# KiCad board mainboard_1.kicad_pcb (continued)
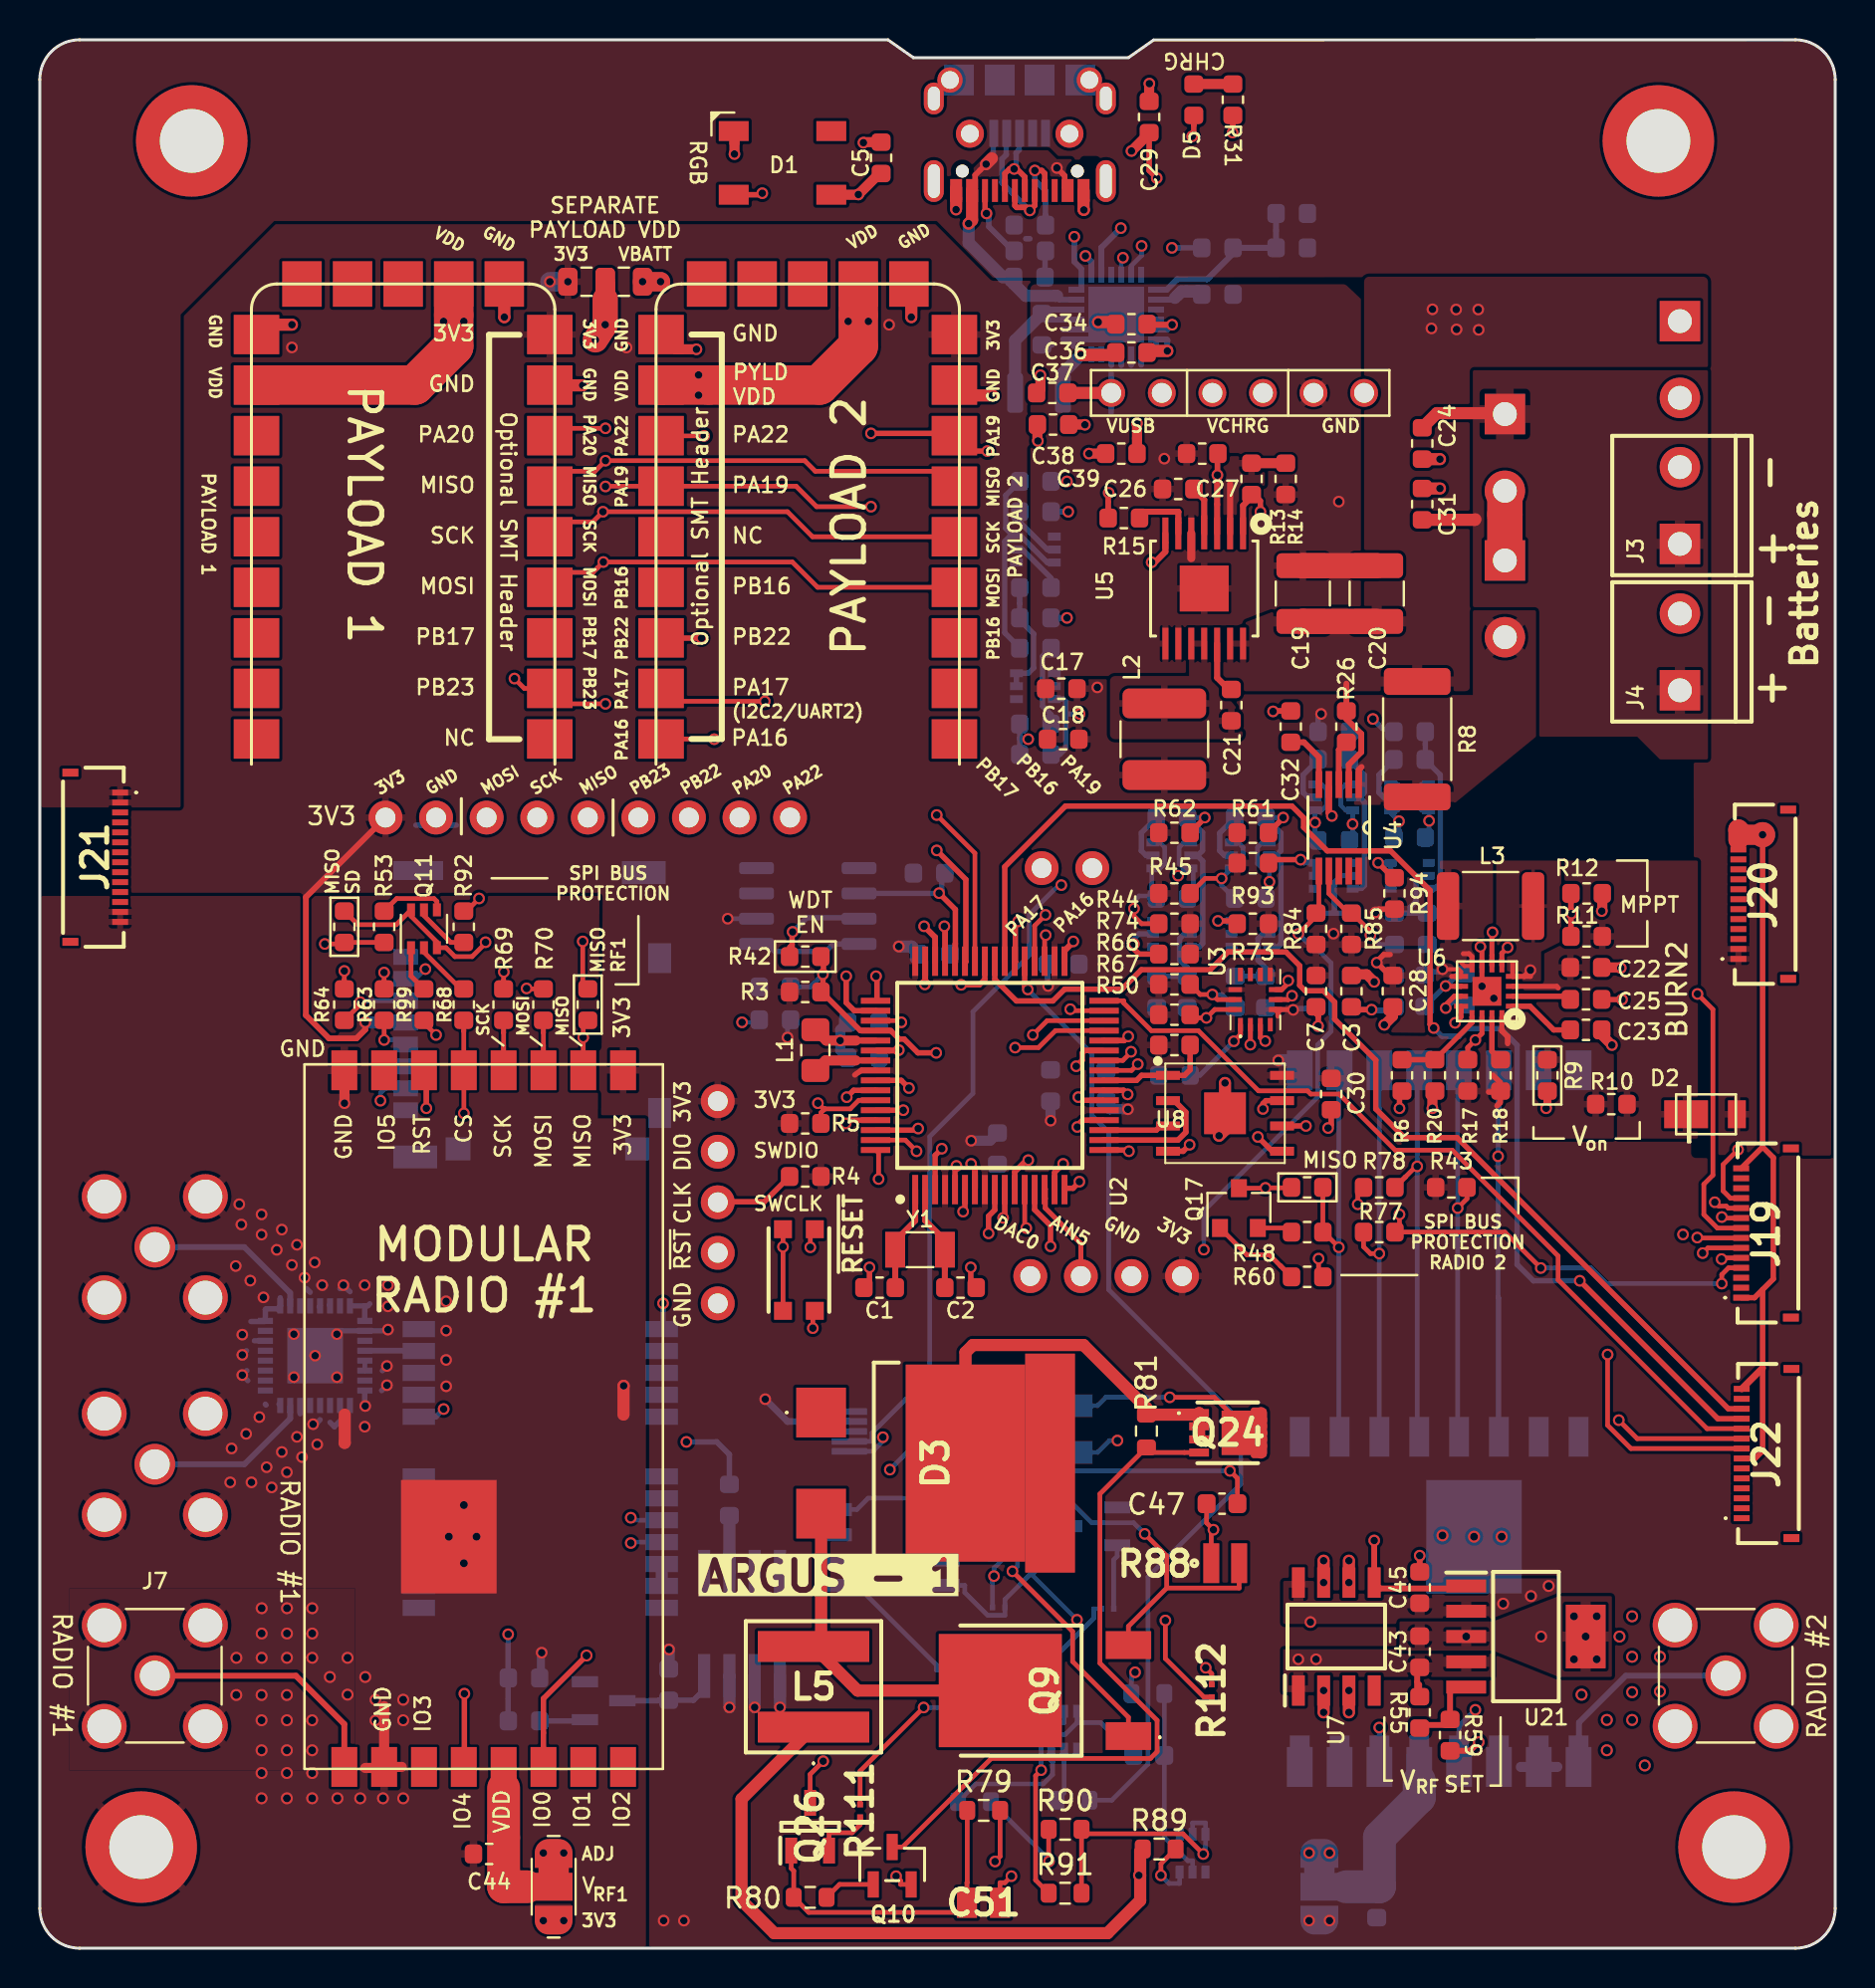
[diagram p0: board, top side]
## Routing (per net, layer and track width the routed paths; a pad name or vN(x,y) marks a point on that pad's centre or on a via; arc(x,y) is an arc through that point) (continued)
GNDREF: length 15
  Top w0.235: 50.1,76.16 C38.1 ; 52.42,87.83 J13.A1 ; 53.94,81.7 C34.2 ; 46.02,87.91 J13.A12
  Top w0.272: 46.02,87.4 46.02,87.36 v1(46.02,87.35)
  Top w0.508: 55.71,92.75 C29.2 55.71,93.67 v1(55.72,93.68) ; v1(50.13,75.73) 50.1,75.76 C38.1 ; v1(50.25,79.03) 50.25,78.33 C37.1 ; C39.1 v1(52.69,75.1)
  Top w0.61: v1(52.44,87.34) 52.42,87.36 J13.A1 ; C24.2 v1(70.32,74.82) ; 46.02,87.4 46.02,88.43 ; C31.2 v1(70.32,73.34) ; 54.04,81.7 v2(53.15,81.7)
  Bottom w0.272: 51.9,80.49 51.9,80.81 51.92,80.83 U17.19
  Bottom w0.279: 49.52,85.89 49.72,85.89 ; C35.1 50.84,80.56 ; 50.48,83.96 50.48,85.26 R39.1
  Bottom w0.3: 51.4,80.84 52.78,80.84 ; 51.4,81.33 U17.20 52.78,81.33
VBATT: length 207.7
  Top w0.203: U6.P$9 71.38,49.06 71.25,49.19 v1(70.45,49.19)
  Top w0.235: 50.67,5.97 50.67,4.39 v1(50.69,4.37) ; v1(30.27,83.73) R56.2 ; 55.26,3.66 55.2,3.66 v1(55.2,3.66)
  Top w0.25: U6.P$9 70.91,48.83
  Top w0.272: 67.82,49.92 67.5,49.92 67.15,49.57 v1(67.15,49.52) 67.8,48.87 C28.1
  Top w0.293: 65.62,63.54 R26.1 65.62,61.76 66.08,61.3 66.08,61.3 66.37,61.01 66.37,60.1 65.74,59.47 U4.2
  Top w0.61: 38.86,11.11 35.24,7.49 35.24,2.39 36.88,0.75 53.62,0.75 55.26,2.39 55.26,4.85 R89.1
  Top w0.975: R56.2 31.17,83.73
  Top w1.27: 63.43,66.66 C19.1 C20.1
  Route2 w0.235: v1(50.69,4.37) 54.49,4.37 ; 54.49,4.37 55.01,4.89 v1(55.01,13.86) ; 54.49,4.37 v1(55.2,3.66)
  Route15 w0.235: v1(63.81,16.39) 57.53,16.39 v1(55.01,13.86)
  Route15 w0.305: v1(49.64,60.75) 49.64,61.78 51.14,63.28 51.14,66.4 v1(51.59,66.84) 52.48,67.73 52.48,72.81 v1(51.59,73.7) 51.02,73.7 49.21,75.5 49.21,80.48 53.28,84.54 53.28,86.53 54.88,88.13 54.88,89.41 55.59,90.12 55.59,91.61
  Route15 w0.508: 57.62,78.14 J14.2 56.35,79.41 ; v1(67.15,49.52) 67.15,49.5 67.17,49.48
  Route15 w0.61: J14.2 56.35,77
  Route15 w1.016: J14.2 56.35,78.21
  Route15 w1.27: v1(30.27,83.73) v1(31.18,83.73) 31.18,84.85 38.44,92.11 41.65,92.11 42.39,91.38 45.25,91.38 ; 53.43,91.35 55.59,91.35 56.73,92.49 60.67,92.49 61.65,91.51 61.65,88.46 67.53,82.59
  Route15 w1.905: v2(73.49,17.31) v2(75.78,18.2) 75.78,21.06 81.11,26.39 81.11,53 80.23,53.89
  Bottom w0.235: v1(55.01,13.86) 54.83,13.68 R100.1 ; 70.38,49.06 70.38,49.12 v1(70.45,49.19) ; 49.21,60.38 R29.1 ; 49.21,61.14 R47.1 ; R102.1 50.69,4.44 v1(50.69,4.37)
  Bottom w0.272: R1.1 67.8,48.87 v1(67.15,49.52) ; R29.1 R47.1 ; 70.38,49.06 69.72,49.06 R19.1
  Bottom w0.305: R30.1 v1(51.59,66.84) ; v1(49.64,60.75) 49.61,60.78 49.21,60.78 ; R49.1 v1(51.59,73.7)
  Bottom w0.61: 31.17,83.73 v1(31.18,83.73)
  Bottom w0.975: v1(30.27,83.73) 31.17,83.73
  vias: v1(69.89,81.38) v1(69.94,82.34) v1(71.13,82.33) v1(71.15,81.33) v1(72.24,82.33) v1(72.26,81.31) v2(74.89,17.69)
VBATT_SENSE: length 0.9
  Top w0.293: 66.38,59.35 66.24,59.2 U4.1
VBUS_IN: length 28.4
  Top w0.279: C29.1 55.71,89.32 v1(56.1,88.94) ; v1(51.08,89.45) 51.37,89.15 51.47,89.05 51.47,88.46 J13.A4 ; J13.A9 46.98,88.47 46.98,89.09 47.23,89.34 v1(47.52,89.64)
  Top w0.508: v1(54.83,90.3) 54.83,90.3 55.71,91.18
  Top w0.61: v1(47.52,89.64) 47.82,89.93 ; v1(46.65,86.65) 46.82,86.83 J13.A9
  Route15 w0.279: v1(56.86,85.43) 56.1,86.19 v1(56.1,88.94)
  Route15 w0.508: v1(51.08,89.45) 51.66,90.03 52.99,90.03 53.25,90.3 v1(54.83,90.3)
  Bottom w0.235: 47.89,90.58 47.91,90.61 J11.1
  Bottom w0.279: v1(47.52,89.64) 47.89,90 47.89,91.06 ; v1(56.86,85.43) R34.1 58.38,85.43 ; 51.02,83.02 51.21,82.83 U17.23 ; 51.08,89.36 v1(51.08,89.45)
  Bottom w0.61: v1(46.65,86.65) 46.65,85.68 48.37,83.96 C33.2 48.91,83.63 49.52,83.02 51.09,83.02
VBUS_RESET: length 82.1
  Top w0.235: 49.46,49.52 U2.37
  Top w0.272: v1(49.62,48.17) 49.46,48.33 49.46,49.52
  Route15 w0.272: v1(49.62,48.17) 49.62,48.58 51.21,50.17 51.21,50.84 54.57,54.2 54.57,56.54 52.33,58.77 50.06,58.77 48.98,59.86 48.98,62.46 49.75,63.22 49.75,70.27 v1(51.65,72.17)
  Bottom w0.235: v1(49.62,48.17) 52.83,44.96 52.83,41.85 53.69,41 53.69,33.08 60.32,26.45 60.32,23.32 55.65,18.65 55.65,9.25 53.84,7.43 R103.2
  Bottom w0.272: R52.2 v1(51.65,72.17)
VCC_RF1: length 9.9
  Top w0.235: C44.2 23.36,5.5 23.29,5.56 ; 23.29,8.57 23.29,8.57 U23.5 ; JP6.2 25.8,3.09
  Top w1.27: 23.29,8.04 23.29,9.11 ; 25.8,3.09 24.45,3.09
  Top w1.651: 23.29,8.04 23.29,3.09 24.45,3.09
VCC_RF2: length 11
  Bottom w0.235: C46.2 67.25,3.11 67.27,3.09 ; 69.28,9.14 69.28,9.13 U24.5 ; 69.28,9.32 69.28,9.32 U15.13 ; 69.28,8.95 69.28,8.42
  Bottom w1.27: 69.28,8.95 U15.13 ; JP7.2 65.61,3.09
  Bottom w1.651: 69.28,8.42 69.28,7.57 67.28,5.57 67.28,3.1 67.27,3.09 65.61,3.09
/Avionics/BATTERY: length 26.5
  Top w0.235: 65.87,47.3 C3.1 ; U2.15 50.96,38.18
  Top w0.272: v1(51.4,39.41) 50.96,38.98 50.96,38.18
  Top w0.279: 65.73,47.3 65.99,47.3 66.13,47.16 v1(66.89,47.16)
  Route15 w0.272: v1(51.4,39.41) 59.17,39.41 59.97,40.21 64.49,40.21 66.89,42.61 66.89,47.15 v1(66.89,47.16)
  Bottom w0.235: R1.2 68.03,47.28 ; 65.87,47.3 C3.1
  Bottom w0.279: 65.73,47.3 65.99,47.3 66.13,47.16 v1(66.89,47.16) 66.93,47.12 67.87,47.12 68.03,47.28
/Avionics/XTAL1: length 6.5
  Top w0.235: 42.96,34.14 C1.1 ; Y1.1 42.96,35.32 42.96,35.32
  Top w0.3: C1.1 42.96,35.09 42.96,35.1 42.96,35.54 43.96,36.55 U2.1
/Avionics/XTAL2: length 6.3
  Top w0.235: 45.45,34.14 45.45,34.14 C2.1 ; 45.46,35.09 Y1.2
  Top w0.3: 45.45,33.19 45.45,35.09 45.46,35.1 45.46,35.57 44.46,36.56 U2.2
/Power/REGN: length 15.7
  Top w0.235: 59.92,91.66 59.92,91.66 R31.2 ; C34.1 55.74,81.47
  Top w0.272: v1(59.91,91.22) 59.92,91.24 59.92,92.09
  Top w0.279: 55.61,81.32 55.61,81.34 55.74,81.47 55.84,81.57
  Top w0.3: v1(56.87,81.57) 55.84,81.57
  Route15 w0.272: v1(59.91,91.22) 59.02,91.22 56.98,89.19 56.98,86.65 57.62,86.02 57.62,82.32 v1(56.87,81.57)
  Bottom w0.3: v1(56.87,81.57) 56.63,81.33 U17.11
/Power/V_RF: length 56.8
  Top w0.235: R55.1 69.3,13.25 69.18,13.37 ; v1(26.31,4.79) JP6.1
  Top w0.293: 69.18,14.11 69.18,12.64
  Route15 w1.905: 58,7.15 39.71,7.15 37.35,4.79 v1(26.31,4.79) v1(25.29,4.79) 25.23,4.79 ; 58,7.15 60.36,4.79 v1(63.75,4.79) v1(64.77,4.79) 65.15,4.79 ; 58,7.15 58,11.47 61.05,14.52 v1(63.21,14.52) v1(64.1,14.52)
  Bottom w0.235: v1(64.77,4.79) JP7.1
/Power/VCHRG_IN: length 2.3
  Top w0.25: U6.P$3 76.18,48.33 76.26,48.25
/RF and GPS/PYLD12_VDD: length 53
  Top w0.235: 41.11,82.06 41.43,81.74 v1(41.61,81.74) ; 41.11,82.06 U12.11 ; 41.11,82.06 41.11,82.05 ; 20.79,82.06 U10.11 ; 20.79,82.06 20.79,82.05 ; 20.79,82.06 21.11,81.74 v1(21.29,81.74) ; 33.59,78.54 v1(33.08,78.03)
  Top w0.975: R54.2 28.4,82.86
  Top w1.27: v1(27.9,80.81) v1(28.4,81.57) 28.4,82.86
  Top w1.981: U10.11 20.79,80.49 18.83,78.54 U10.16 10.88,78.54 ; U12.11 41.11,80.49 39.15,78.54 U12.16 31.2,78.54
  Route2 w0.235: v1(40.6,81.74) v1(41.61,81.74)
  Route15 w0.235: v1(27.9,80.81) 27.71,80.62
  Route15 w1.27: v1(28.4,81.57) v1(27.9,80.81) ; v1(33.08,78.03) v1(33.08,79.04) 29.29,79.04 27.71,80.62 27.52,80.81 22.22,80.81 v1(21.29,81.74) v1(20.28,81.74)
/RF and GPS/RF2_ANT: length 10.7
  Bottom w0.235: U15.9 77.3,9.69 ; 84.67,13.69 J12.1 ; U24.1 77.3,9.11
  Bottom w0.293: 77.3,9.06 77.3,11.34 79.65,13.69 J12.1
/RF and GPS/RF_IN: length 2.7
  Bottom w0.235: 19.03,30.01 U14.11
  Bottom w0.293: 19.03,30 19.02,30.02 U13.4
AIN5: length 5.6
  Top w0.235: 50.5,37.67 50.46,37.7 U2.14
  Top w0.25: 50.46,38.18 50.5,38.15 50.5,37.19 52.29,35.4 J10.2
BURN_RELAY_A: length 57
  Top w0.235: J22.8 79.91,25.1 78.74,26.27 v1(78.74,29.83)
  Top w0.279: v1(54.66,45.81) 54.45,45.6 U2.28 53.38,45.6
  Route15 w0.235: v1(78.74,29.83) 78.74,41.12 71.05,48.8 71.05,49.38 69.89,50.55 67.87,50.55
  Route15 w0.279: v1(54.66,45.81) 54.14,45.29 54.14,44.16 54.44,43.86 56.8,43.86 63.27,50.33 67.65,50.33 67.87,50.55
DAC0: length 11.9
  Top w0.235: 44.96,38.18 U2.3
  Top w0.272: v1(45.3,40.17) 44.96,39.83 44.96,38.18
  Route15 w0.235: 49.37,34.15 J10.1
  Route15 w0.272: J10.1 48.99,34.53 48.99,37.02 47.36,38.65 47.36,39.61 46.98,39.99 46.16,39.99 45.99,40.17 v1(45.3,40.17)
ENAB_BURN1: length 84.9
  Top w0.235: 42.04,42.1 U2.60 ; v1(79.3,26.53) 80.23,25.6 J22.9
  Top w0.272: v1(43.37,42.1) 43.36,42.1 42.04,42.1
  Route2 w0.235: v1(43.37,42.1) 48.4,42.1 50.37,40.13 53.28,40.13 57.13,36.28 58.04,36.28 67.79,26.53 v1(79.3,26.53)
  Route15 w0.272: 13.49,41.63 16.41,41.63 21.81,36.23 26.89,36.23
  Route15 w0.279: 26.89,36.23 37.49,36.23 v1(43.37,42.1)
ENAB_BURN2: length 41.7
  Top w0.235: J22.10 83.73,26.1 76.25,33.58 76.25,34.78 70.94,40.09 68.08,40.09 65.25,42.92 63.83,42.92 63.67,43.08 61.21,43.08 58.19,46.1 55.83,46.1 54.44,47.49 54.44,47.6 U2.32
ENAB_BURN3: length 66.8
  Top w0.272: v1(70,46.23) 69.82,46.41 69.82,53.15 67.84,55.13 64.66,55.13 63.47,56.32 63.47,56.8 62.89,57.38 51.52,57.38 48.46,54.33 U2.39 ; J22.11 84.27,26.6 v1(77.34,33.53)
  Bottom w0.272: v1(77.34,33.53) 75.01,33.53 74.19,34.35 74.19,45.37 73.36,46.21 71.67,46.21 71.28,45.82 70.42,45.82 v1(70,46.23)
ENAB_BURN4: length 51.4
  Top w0.272: 47.96,49.12 47.96,48.68 49.05,47.59 50.88,47.59 51.47,48.18 54.34,48.18 55.32,49.16 58.78,49.16 59.67,50.05 62.58,50.05 63.28,49.36 63.28,48.38 63.55,48.1 64.46,48.1 65.03,47.53 65.03,46.68 67.1,44.62 67.1,42.17 68.54,40.72 71.18,40.72 84.8,27.1 J22.12
ENAB_GPS: length 43.8
  Top w0.235: 42.04,41.1 U2.62
  Top w0.272: v1(44.11,41.18) 44.03,41.1 42.04,41.1
  Route15 w0.272: v1(23.52,15.77) 25.57,17.82 28.41,17.82 44.67,34.07 44.67,40.63 v1(44.11,41.18)
  Bottom w0.235: 23.52,13.62 23.53,13.62 R21.1 ; 23.52,12.55 23.53,12.54 R22.1
  Bottom w0.272: 23.47,11.42 23.52,11.48 v1(23.52,15.77)
ENAB_JET: length 17.5
  Top w0.235: v1(44.39,12.09) 41.2,8.9 R111.1
  Bottom w0.235: R105.1 52.92,17.05 52.92,16.57 48.45,12.09 v1(44.39,12.09)
ENAB_RF: length 33.8
  Top w0.272: U2.13 49.96,37.11 50.76,36.31 v1(50.76,35.27)
  Top w0.293: U21.1 71.51,18.07 67.32,18.07 67.02,18.37 v1(67.02,20.49)
  Route15 w0.272: v1(50.76,35.27) 51.02,35.01 51.02,32.8 55.21,28.61 58.89,28.61 v1(67.02,20.49)
FLASH_CS: length 6.3
  Top w0.235: 57.77,44.63 R50.1
  Top w0.272: 53.38,43.6 U2.24 55.08,43.6 55.33,43.85 U8.1 57.49,43.85 57.77,44.13 57.77,45.12
FLASH_IO2: length 3.4
  Top w0.272: 53.38,41.1 U2.19 56.08,41.1 56.29,41.31 U8.3 56.67,41.31
FLASH_IO3: length 12.5
  Top w0.235: 53.38,41.6 U2.20 ; 62.37,42.58 U8.7
  Top w0.272: v1(61.43,42.17) 61.43,42.44 61.58,42.58 62.37,42.58
  Top w0.279: 53.38,41.6 52.37,41.6 52.11,41.34 v1(52.11,41.26)
  Route15 w0.279: v1(61.43,42.17) 60.64,41.38 58.95,41.38 58.84,41.26 v1(52.11,41.26)
FLASH_MISO: length 6.5
  Top w0.235: 56.67,42.58 U8.2
  Top w0.279: 53.38,40.6 U2.18 57.16,40.6 57.56,41 57.56,42 56.97,42.58 56.67,42.58
FLASH_MOSI: length 9.8
  Top w0.235: 62.37,40.04 U8.5
  Top w0.272: 62.37,40.04 61.89,40.04 v1(61.18,40.76) ; v1(54.7,40.04) 54.64,40.1 U2.17 53.38,40.1
  Route15 w0.279: v1(54.7,40.04) 54.93,39.81 59,39.81 59.8,40.61 61.02,40.61 v1(61.18,40.76)
FLASH_SCK: length 12.2
  Top w0.272: v1(63.59,41.31) U8.6 62.37,41.31
  Top w0.279: v1(54.64,42.9) 54.43,43.1 U2.23 53.38,43.1
  Route15 w0.279: v1(63.59,41.31) 62.1,42.8 54.74,42.8 v1(54.64,42.9)
GPS_PWR_IN: length 4.3
  Bottom w0.61: 31.23,18.2 31.23,19.3 ; 34.63,21.76 R24.2 34.63,18.56
JETSON_PWR: length 21
  Route2 w0.235: v1(54.12,25.51) 52.66,24.05 v1(42.69,24.05)
  Bottom w0.235: R65.1 49.59,24.91 R113.1 53.13,24.91 53.72,25.51 v1(54.12,25.51) ; U18.2 43.61,26.46 43.61,24.97 v1(42.69,24.05)
JETSON_PWR_SENSE: length 22
  Top w0.235: 60.77,25.89 58.99,27.68 v1(56.75,27.68) ; 61.33,25.23 61.33,25.23 61.33,24.74 Q24.10 ; 61.33,26.55 61.33,26.56 61.33,27.05 Q24.11
  Top w0.61: 61.33,25.88 Q24.6 Q24.5 ; 61.33,25.88 Q24.7 Q24.8 ; 61.33,25.88 61.32,25.89 Q24.9
  Bottom w0.235: U18.1 45.88,26.96 46.35,27.43 51.31,27.43 51.48,27.26 R113.2 53.13,27.26 53.54,27.68 v1(56.75,27.68)
L1_PROG: length 4.6
  Top w0.235: 71.93,46.78 U6.P$13
  Top w0.25: U6.P$13 71.93,46.78 71.93,46.51 R20.2
  Top w0.272: R20.2 R6.1
MISO: length 146.6
  Top w0.235: U12.6 45.93,73.46 45.18,74.21 38.95,74.21 38.42,74.74 v1(28.41,74.74) 27.88,74.21 26.36,74.21 U10.6 25.61,73.46 ; U2.31 51.83,47.1 v1(51.75,47.18) ; 15.29,52.11 R104.2 15.97,51.43 17.9,51.43 Q11.6 18.64,51.85 19.94,50.55 Q11.3 20.4,50.27 20.84,49.82 21.71,49.82 22.39,50.5 v1(22.39,50.54) ; R101.2 27.27,48.2 v1(27.27,50.58) ; J19.6 83.77,35.18 v1(83.51,34.92) ; 62.85,38.21 62.84,38.2 v1(61.56,38.2) 61.54,38.19 Q17.3 ; 62.85,38.21 R107.2 62.85,38.21
  Route2 w0.235: v1(61.56,38.2) 81.73,38.2 83.8,36.13 83.8,35.21 v1(83.51,34.92)
  Route15 w0.235: v1(51.75,47.18) 36.26,47.18 32.85,50.58 v1(27.27,50.58) 27.23,50.54 v1(22.39,50.54) 22.39,51.67 J8.5 ; v1(51.75,47.18) 51.7,47.13 ; v1(51.75,47.18) 51.75,45.33 48.63,42.21 48.63,39.26 50.73,37.16 60.51,37.16 v1(61.56,38.2) ; J8.5 27.77,57.06 27.77,62.9 29.77,64.89 29.77,73.38 29.43,73.72 v1(28.41,74.74) 28.38,74.74 ; J8.5 27.52,56.55
MISO_RF1: length 11.9
  Top w0.235: v1(19.9,45.89) 19.29,46.49 19.29,46.56 ; R101.1 27.29,46.39 v1(27.29,45.76) 27.29,44.93 ; 19.29,46.62 19.29,46.56 ; 19.29,46.56 R99.2 ; 27.29,44.93 27.29,44.11 ; 27.29,44.93 27.29,44.93 U23.10
  Route15 w0.235: v1(27.29,45.76) 20.03,45.76 v1(19.9,45.89)
MISO_RF2: length 21.8
  Top w0.235: R107.1 R48.2 64.48,35.98 v1(65.24,35.22)
  Bottom w0.235: 65.28,25.69 65.24,25.73 v1(65.24,35.22) 65.24,44.07 U24.10 ; 65.28,25.69 U15.2 65.28,25.69
MISO_SD: length 13.8
  Top w0.235: v1(14.31,50.46) 15.22,50.46 R104.1 R53.2
  Route15 w0.235: v1(14.31,50.46) 14.31,45.38 v1(17.11,42.58)
  Bottom w0.235: v1(17.11,42.58) 17.11,42.96 17.34,43.2 J1.7
MOSI: length 141.5
  Top w0.235: v1(75.38,34.17) 73.58,35.98 R77.2 68.29,36.21 v1(68.29,36.87) ; v1(84.47,33.39) 84.47,33.84 84.81,34.18 J19.4 ; v1(24.45,48.22) 24.47,48.2 25.29,48.2 R70.1 ; R64.2 15.29,48.65 15.29,48.65 ; U2.29 51.01,46.1 50.16,45.25 v1(48.98,45.25) ; 15.29,48.65 15.29,49.1 v1(15.29,49.1) ; 15.29,48.65 15.29,48.2 ; 25.61,68.38 U10.4 26.36,69.13 27.78,69.13 28.01,69.35 v1(28.3,69.65) 37.79,69.65 39.06,68.38 U12.4
  Route15 w0.235: v1(28.3,69.65) 29.04,68.91 29.04,66.33 27.01,64.3 27.01,59.6 26.25,58.84 24.47,58.84 J8.3 15.29,49.66 v1(15.29,49.1) 16.99,47.41 23.63,47.41 v1(24.45,48.22) 27.85,48.22 31.71,44.36 43.52,44.36 44.68,45.52 48.71,45.52 v1(48.98,45.25) 47.84,44.11 47.84,38.91 50.39,36.36 67.78,36.36 v1(68.29,36.87)
  Bottom w0.235: v1(84.47,33.39) 78.68,33.39 77.9,34.17 v1(75.38,34.17)
MOSI_RF1: length 4.4
  Top w0.235: 25.29,45.99 25.29,45.37 ; 25.29,45.99 25.29,45.99 R70.2 ; 25.29,45.99 25.29,46.62 ; 25.29,45.37 25.29,45.36 U23.11 ; 25.29,45.37 25.29,44.11
MOSI_RF2: length 21.4
  Top w0.235: v1(67.27,34.9) 66.83,34.9 66.48,35.24 66.48,35.61 ; 66.48,35.61 R77.1 66.48,35.61
  Bottom w0.235: 67.27,25.69 v1(67.27,34.9) 67.27,38.77 67.28,43.57 67.28,44.21 ; 67.27,25.69 67.27,25.57 ; 67.27,25.69 U15.3 ; 67.28,44.21 U24.11 ; 67.28,44.21 67.28,44.85
MOSI_SD: length 3.6
  Top w0.235: R64.1 15.29,46.62 16.09,47.42 v1(16.09,47.54)
  Bottom w0.235: v1(16.09,47.54) 16.16,47.6 J1.3
PA16: length 38.1
  Top w0.235: 31.2,60.76 U12.23 33.86,60.76 v1(33.87,60.74) ; 50.46,49.52 U2.35 50.46,50.85 v1(50.52,50.9)
  Route15 w0.235: v1(33.87,60.74) 33.87,61.51 34,61.63 34.41,61.63 34.57,61.47 34.57,58.46 33.87,57.76 33.87,56.05 36.92,53 39.08,53 44.35,47.73 48.03,47.73 48.82,48.52 48.82,48.84 49.24,49.25 49.43,49.25 50.52,50.34 v1(50.52,50.9) 50.52,50.98 52.86,53.31 52.86,53.79 ; 52.86,53.79 J15.2 52.86,53.79 52.86,53.79
  Bottom w0.235: 33.86,60.76 v1(33.87,60.74)
PA17: length 34.7
  Top w0.235: v1(36.41,62.65) 31.85,62.65 U12.22 31.2,63.3 ; v1(50.51,51.92) 49.96,51.37 U2.36 49.96,49.52
  Route15 w0.235: J15.1 50.51,54.08 v1(50.51,51.92) 48.79,50.2 44.16,50.2 39.97,54.39 37.55,54.39 36.41,55.54 v1(36.41,62.65)
PA19: length 95
  Top w0.235: v1(85.29,40.12) 84.54,39.37 84.54,38.05 84.91,37.68 J19.11 ; v1(41.74,72.43) 39.01,72.43 37.99,73.46 U12.18 28.42,73.46 v1(28.41,73.44) ; U2.38 49,49.56 ; U12.7 45.93,76
  Top w0.272: v1(49.14,51.59) 48.99,51.45 48.99,49.56 49,49.56 48.96,49.52 ; v1(47.59,75.22) 46.71,75.22 45.93,76 45.82,76.11 v1(41.74,76.11)
  Route2 w0.235: v1(49.14,51.59) 49.14,51.51 51.2,49.44 62.94,49.44 64.46,47.92 67.34,47.92 75.13,40.12 v1(85.29,40.12)
  Route15 w0.235: v1(41.74,72.43) v1(41.74,76.11)
  Route15 w0.272: v1(47.59,75.22) 49.11,73.7 49.11,63.47 48.58,62.95 48.58,53.42 49.14,52.87 v1(49.14,51.59)
  Bottom w0.235: 28.4,73.46 v1(28.41,73.44)
PA20: length 88.1
  Top w0.229: v1(28.41,76.37) 25.98,76.37 U10.7 25.61,76
  Top w0.235: v1(84.48,36.74) 84.53,36.68 J19.9 ; U2.41 47.46,49.52
  Top w0.272: v1(46.27,48.4) 47.19,48.4 47.46,48.68 47.46,49.52
  Route2 w0.235: v1(46.27,48.4) 46.8,48.93 51.21,48.93 54.1,46.04 54.1,44.67 54.91,43.86 57.29,43.86 62.43,38.72 82.09,38.72 84.08,36.74 v1(84.48,36.74)
  Route15 w0.272: v1(28.41,76.37) 28.41,76.24 35.14,69.51 J8.8 35.14,55.54 36.92,53.76 38.85,53.76 43.05,49.57 45.11,49.57 v1(46.27,48.4)
PA22: length 90.5
  Top w0.229: v1(33.36,75.98) 31.21,75.98 U12.17 31.2,76
  Top w0.235: 46.5,49.56 U2.43 ; v1(84.12,37.48) 84.32,37.29 84.7,37.29 84.8,37.18 J19.10
  Top w0.272: v1(45.05,55.16) 46.51,53.69 46.51,49.57 46.46,49.52
  Route2 w0.235: v1(45.05,55.16) 47.41,52.79 64.14,52.79 66.65,50.28 67.43,50.28 69.92,47.79 71.42,47.79 78.41,40.8 85.39,40.8 85.83,40.36 85.83,39.19 v1(84.12,37.48)
  Route15 w0.272: v1(33.36,75.98) 37.68,71.67 J8.9 37.68,55.41 38.23,54.86 44.75,54.86 v1(45.05,55.16)
PB22: length 95.5
  Top w0.235: U2.49 42.04,47.6 ; J19.8 84.25,36.18 83.57,36.86 83.57,38.39 84.03,38.84 84.03,47.17 v1(83.25,47.94)
  Top w0.272: 31.2,65.84 U12.21 31.21,65.82 v1(33.24,65.82) ; 42.04,47.6 42.04,48.79 v1(42,48.83)
  Route2 w0.235: J8.7 33.7,56.81 33.7,56.94 34.67,57.92 59.14,57.92 61.04,56.02 62.75,56.02 63.42,55.35 71.78,55.35 76.81,50.32 80.87,50.32 v1(83.25,47.94)
  Route15 w0.272: v1(42,48.83) 38.34,52.49 35.01,52.49 32.6,54.9 J8.7 32.6,65.19 v1(33.24,65.82)
PB23: length 80.2
  Top w0.235: v1(83.24,35.71) 83.26,35.68 J19.7 ; v1(28.41,62.52) 26.39,62.52 U10.2 25.61,63.3 24.33,63.3 v1(23.84,63.79)
  Top w0.272: v1(40.5,48.83) 40.5,47.51 40.91,47.1 U2.50 42.04,47.1
  Route2 w0.235: v1(40.5,48.83) 42.23,47.1 44.46,47.1 50.92,40.64 53.31,40.64 57,36.95 64.36,36.95 65.72,35.6 67.46,35.6 67.78,35.28 82.81,35.28 v1(83.24,35.71)
  Route15 w0.272: v1(40.5,48.83) 39.51,49.82 35.01,49.82 30.06,54.78 J8.6 30.06,58.33 28.41,59.98 v1(28.41,62.52)
RF1_ANT: length 12.7
  Top w0.235: U23.1 15.29,9.11
  Top w0.293: 15.29,9.11 15.29,11.26 12.86,13.69 J7.1
RF1_CS: length 28.8
  Top w0.235: 21.29,44.82 21.29,44.82 U23.13 21.35,44.05 21.3,44 v1(21.3,41.95) ; 21.29,44.82 21.29,46.08 ; 21.29,44.82 21.29,44.11 ; 21.29,46.08 21.29,46.08 R68.2 ; 21.29,46.08 21.29,46.62 ; 42.04,42.6 U2.59 41.15,42.6 41.13,42.58 41.11,42.58 40.7,42.17 39.43,42.17 ; 39.43,42.17 39.42,42.16 ; 39.43,42.17 39.42,42.16 ; 39.42,42.16 39.23,41.97 39.23,41.71 ; 39.42,42.16 39.37,42.16 v1(39.08,42.46) ; 39.23,41.71 R5.2 39.23,41.71
  Route15 w0.235: v1(21.3,41.95) 21.93,41.31 37.52,41.31 38.66,42.46 v1(39.08,42.46)
RF1_IO0: length 39.6
  Top w0.235: U23.6 25.29,10.82 25.29,10.83
  Top w0.272: 25.29,9.11 25.29,12.54 v2(27.46,14.71) ; 46.46,38.18 U2.6 46.46,37.1 v1(46.37,37.01)
  Route15 w0.272: v1(46.37,37.01) 45.94,36.57 45.94,33.16 27.48,14.71 v2(27.46,14.71)
RF1_IO4: length 43.7
  Top w0.235: 45.96,38.18 U2.5
  Top w0.272: v1(21.32,12.79) 21.32,9.14 U23.4 21.29,9.11 ; v1(46.04,39.31) 45.96,39.23 45.96,38.18
  Route15 w0.272: v1(21.32,12.79) 22.05,12.79 25.58,16.32 28.03,16.32 45.35,33.64 45.35,38.62 v1(46.04,39.31) 46.14,39.41
RF1_RST: length 27.2
  Top w0.235: 19.29,43.83 U23.14
  Top w0.272: v1(40.47,41.44) 40.64,41.6 U2.61 42.04,41.6
  Top w0.279: 19.29,43.83 19.41,43.71 v1(19.41,42.2)
  Route15 w0.279: v1(40.47,41.44) 37.81,38.77 22.84,38.77 v1(19.41,42.2)
RF2_CS: length 46.7
  Top w0.235: 64.33,33.84 R60.2 ; 64.33,33.84 64.22,33.95 v1(64.22,34.65) ; 64.33,33.84 64.44,33.73 ; v1(49.54,36.18) 49.46,36.26 U2.12 49.46,38.18 ; R43.2 71.68,37.66 v1(71.21,37.19)
  Route15 w0.235: v1(49.54,36.18) 49.92,35.8 63.07,35.8 v1(64.22,34.65) 64.8,34.07 68.1,34.07 v1(71.21,37.19)
  Bottom w0.235: U24.13 71.21,44.04 v1(71.21,37.19) 71.21,25.76 71.28,25.69 ; 71.28,25.69 U15.5 71.28,25.69
RF2_IO0: length 39.5
  Top w0.272: 47.96,38.18 U2.9 47.96,37.1 47.65,36.78 v1(47.65,35.92)
  Route15 w0.272: v1(67.27,11.09) 67.27,14.01 58.51,22.77 55.97,22.77 47.65,31.09 v1(47.65,35.92)
  Bottom w0.235: 67.28,10.38 U15.14 U24.6
  Bottom w0.272: v1(67.27,11.09) 67.28,11.08 U15.14
RF2_IO4: length 42.8
  Top w0.279: v1(48.38,36.69) 48.46,36.78 U2.10 48.46,38.18
  Route15 w0.279: v1(48.38,36.69) 48.38,33.22 56.41,25.18 60.92,25.18 68.03,18.07 68.03,16.04 v1(72.1,11.98)
  Bottom w0.235: 71.28,9.59 U24.4 ; 71.28,10.17 U15.12
  Bottom w0.272: 71.28,9.18 71.28,11.16 v1(72.1,11.98)
RF2_RST: length 62.7
  Top w0.235: 53.38,45.1 U2.27
  Top w0.272: v1(52.05,44.31) 52.34,44.6 52.36,44.62 52.36,44.98 52.48,45.1 53.38,45.1
  Route15 w0.272: v1(52.05,44.31) 49.06,41.32 49.06,39.4 50.9,37.56 59.4,37.56 60.81,38.96 67.3,38.96 68.13,38.14 71.59,38.14 v1(73.24,39.79)
  Bottom w0.235: U24.14 73.28,42.16 73.24,42.12 ; 73.24,32.7 73.24,25.62 73.29,25.57 ; 73.24,32.7 73.28,32.66 U15.6 ; 73.24,32.7 v1(73.24,39.79) 73.24,42.12 ; 73.24,42.12 73.24,44.45 73.29,44.5
RX: length 29.6
  Top w0.235: U2.64 42.02,40.06 42.08,40.06 ; 42.08,40.06 42.13,40.02 v1(42.13,38.65) ; 42.08,40.06 42.04,40.1
  Route15 w0.235: v1(42.13,38.65) 42.13,39.22 42.63,39.73 43.27,39.73 43.46,39.54 43.46,38.96 34.51,30.01 34.51,26.45 30.82,22.77 29.93,22.77 29.68,22.52 v1(29.68,21.63)
  Bottom w0.235: 31.23,21.5 U14.20 29.81,21.5 v1(29.68,21.63)
SCK: length 140.2
  Top w0.235: R63.2 17.29,48.61 17.29,48.61 ; 17.29,48.2 17.29,48.61 ; 17.29,48.61 17.29,49.02 v1(17.29,49.02) ; U2.30 50.59,46.6 v1(49.87,45.89) ; 23.29,48.62 23.29,49.04 v1(23.3,49.05) ; 23.29,48.62 23.29,48.2 ; 23.29,48.62 23.29,48.62 R69.2 ; 25.61,70.92 U10.5 26.36,71.67 27.77,71.67 v1(28.28,72.17) 37.55,72.17 38.81,70.92 U12.5 ; J19.5 84.52,34.68 v1(84.46,34.62) ; R78.2 66.19,37.94 v1(66.19,37.38)
  Route2 w0.235: v1(66.19,37.38) 67.61,35.96 82.43,35.96 v1(82.53,35.86)
  Route15 w0.235: v1(66.19,37.38) 65.57,36.76 50.57,36.76 48.21,39.11 48.21,42.96 49.87,44.62 v1(49.87,45.89) 42.25,45.89 41.36,45 33.11,45 29.05,49.05 v1(23.3,49.05) ; v1(17.29,49.02) 17.76,48.55 21.81,48.55 22.3,49.05 v1(23.3,49.05) ; v1(17.29,49.02) 17.3,49.03 ; v1(17.29,49.02) 17.29,49.12 J8.4 27.37,59.2 27.37,63.52 29.41,65.55 29.41,71.05 v1(28.28,72.17) ; v1(82.53,35.86) 82.53,35.09 83.25,34.37 84.21,34.37 v1(84.46,34.62) ; v1(23.3,49.05) 23.28,49.03
SCK_RF1: length 4.4
  Top w0.235: R69.1 23.29,45.99 23.29,45.99 ; 23.29,46.62 23.29,45.99 ; 23.29,45.99 23.29,45.37 ; U23.12 23.29,45.36 23.29,45.37 ; 23.29,45.37 23.29,44.11
SCK_RF2: length 21.3
  Top w0.235: 68.59,38.75 68.59,38.75 R78.1 68.59,38.75 ; 68.59,38.75 69.11,39.28 v1(69.18,39.28)
  Bottom w0.235: 69,44.23 69.18,44.05 ; 69.18,44.05 v1(69.18,39.28) 69.18,25.69 69.23,25.64 ; 69.18,44.05 69.23,44.11 U24.12 ; 69.3,25.57 69.23,25.64 ; 69.23,25.64 U15.4
SCK_SD: length 2.2
  Top w0.235: v1(17.29,45.63) 17.29,46.62 R63.1 17.29,46.62
  Bottom w0.235: v1(17.29,45.63) 18.14,45.63 J1.5
SCL: length 39.2
  Top w0.235: R45.2 58.52,53.75 v1(59.35,53.75) ; v1(54.8,45.04) 54.8,45.02 54.39,44.6 U2.26 53.38,44.6
  Route15 w0.235: v1(64.05,56.56) 64.41,56.56 65.05,55.92 65.05,55.35 64.92,55.22 64.16,55.22 63.65,55.73 63.4,55.73 62.95,55.28 61.56,55.28 60.02,53.75 v1(59.35,53.75) 58.95,54.15 58.95,55.16 58.51,55.6 56.87,55.6 53.94,52.67 53.94,52.49 54.19,52.24 54.19,51.98 53.75,51.54 53.75,51.22 53.87,51.09 54.19,51.09 54.64,51.54 54.89,51.54 56.16,50.27 56.16,46.4 v1(54.8,45.04)
  Bottom w0.235: 59.68,53.07 60.01,52.74 R97.2 59.68,53.07 ; 59.68,53.07 59.35,53.4 v1(59.35,53.75) 59.84,54.24 Q7.1 60.19,54.25 60.43,54.49 60.43,55.31 60.19,55.55 Q7.3 ; R108.2 64.05,55.81 v1(64.05,56.56) 64.04,56.57 64.04,57.17 64.38,57.17 64.62,57.41 64.62,58.23 64.38,58.47 Q15.3
SCL_IMU: length 15.2
  Top w0.235: 57.77,48.42 R66.2 57.77,48.42 ; 57.77,48.42 58.28,47.92 v1(58.89,47.92) 59.14,47.66 U3.13
  Route15 w0.235: v1(58.89,47.92) 58.89,48.3 61.75,51.16 v1(61.75,53.58)
  Bottom w0.235: 61.67,52.83 R97.1 61.58,52.74 61.67,52.83 ; 61.67,52.83 61.75,52.92 v1(61.75,53.58) ; 59.7,47.59 R75.1 59.7,47.59 59.7,47.59 ; 59.7,47.59 59.37,47.92 v1(58.89,47.92) ; 61.74,53.6 61.75,53.59 ; 61.75,53.59 61.75,54.24 Q7.6 61.4,54.25 61.16,54.49 61.16,55.31 61.4,55.55 Q7.4 ; 61.75,53.59 v1(61.75,53.58) ; 61.75,53.59 v1(61.75,53.58)
SCL_PWR: length 103.9
  Top w0.235: v1(63.21,50.97) 64.1,51.85 R84.2 64.24,52.15 U4.6
  Route2 w0.235: v1(58.46,35.1) 54.55,35.1 53.43,33.97 53.43,33.29 45.81,25.67 v1(42.34,25.67)
  Route15 w0.235: 67.65,58.08 68.82,56.91 68.82,54.86 66.54,52.58 64.82,52.58 v1(63.21,50.97) ; 67.65,58.08 67.53,58.08 ; 67.65,58.08 67.53,58.08 ; 67.53,58.08 67.49,58.08 61.94,63.63 61.94,72.43 59.65,74.71 57.37,74.71 56.6,75.48 54.31,75.48 51.14,78.65 51.14,81.27 53.78,83.91 53.78,85.11 54.2,85.53 v1(55.34,85.53) ; 67.53,58.08 v1(65.93,56.48)